# KiCad board prototype-mk1_panel.kicad_pcb (continued)
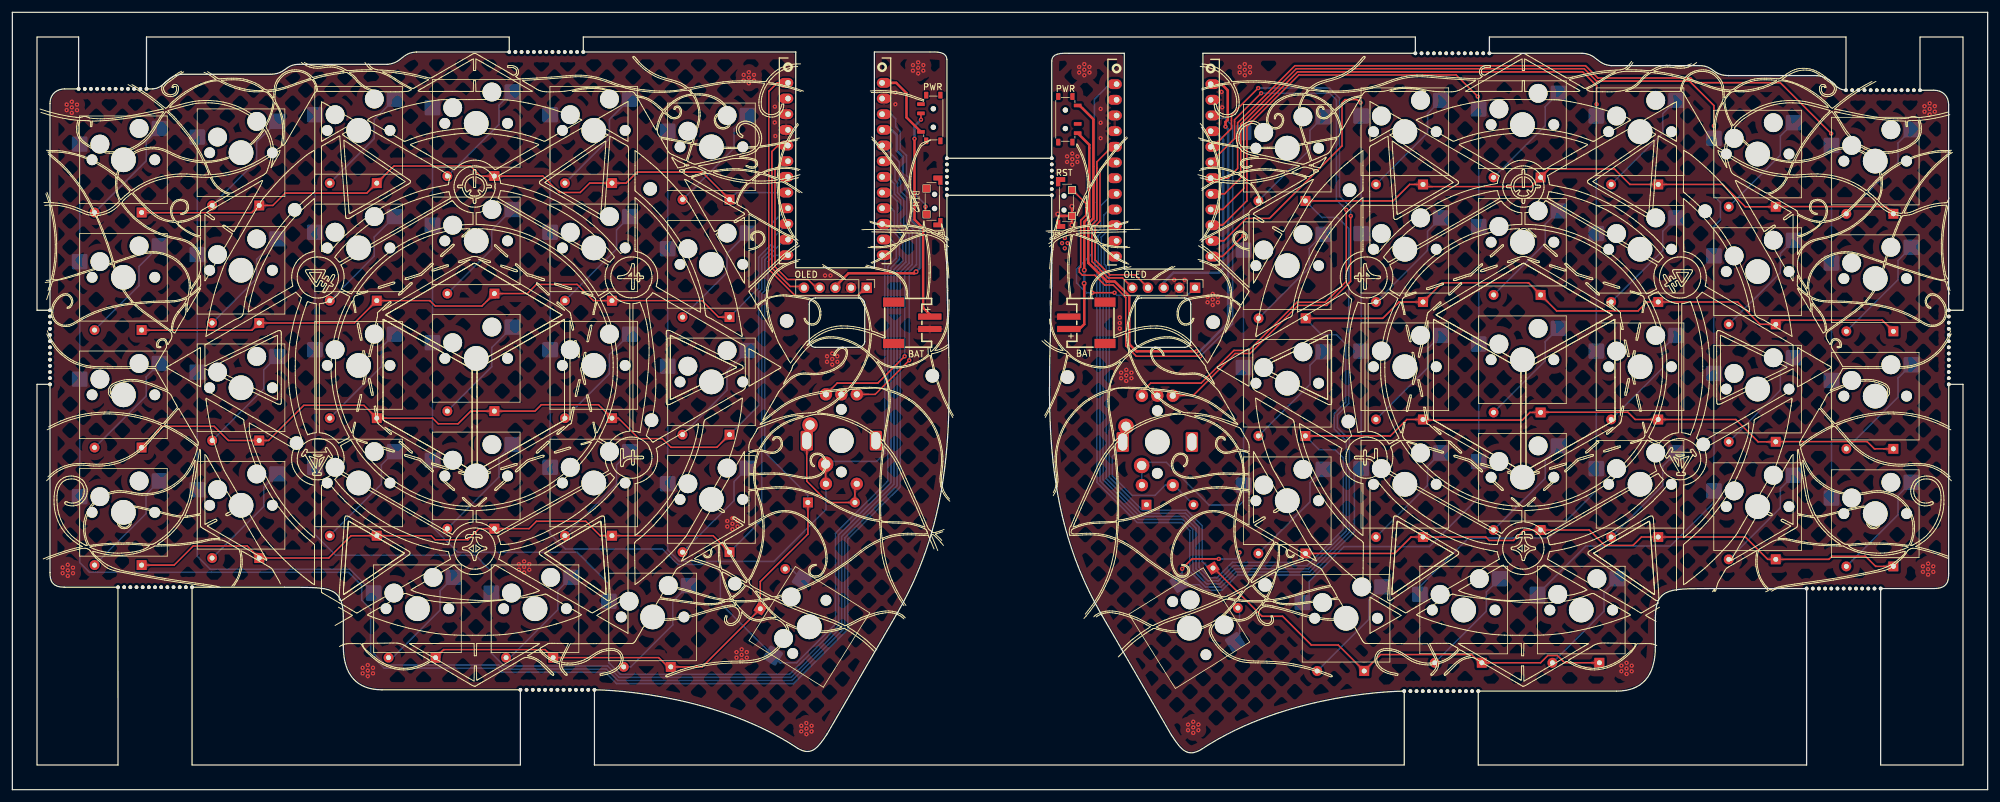
[diagram p0: board, top side]
## Footprints (pads in the part's own frame, mm; a bottom-side part is the same pattern mirrored in y, then rotated)
Connector_1x02_JST-PH
  rect 1x3.8 smd: 1(-1,2.93) 2(1,2.93)
  rect 1.5x3.4 smd: 3(3.35,-2.93) 4(-3.35,-2.93)
Diode_DO-35
  rect 1.6x1.6 hole 0.8: 1(0,0)
  oval 1.6x1.6 hole 0.8: 2(7.62,0)
Encoder_EC11_MX_Combo
  round 1.75 hole 1.75 unplated: (-5.08,0) (5.08,0)
  round 4 hole 4 unplated: (0,0)
  round 2 hole 1: A(-7.5,2.5) B(-7.5,-2.5) C(-7.5,0) S1(7,-2.5) S2(7,2.5)
  rrect 3.2x2 hole 2.8x1.5: MP(0,5.6) S2(0,-5.6)
  round 2.5 hole 1.5: S1(3.81,-2.54) S2(-2.54,-5.08)
Hotswap_MX_1.00u
  round 1.75 hole 1.75 unplated: (-5.08,0) (5.08,0)
  round 3.05 hole 3.05 unplated: (-3.81,2.54) (2.54,5.08)
  round 4 hole 4 unplated: (0,0)
  rrect 2.55x2.5 smd far side: 1(-7.085,2.54) 2(5.842,5.08)
Hotswap_MX_1.50u
  round 1.75 hole 1.75 unplated: (-5.08,0) (5.08,0)
  round 3.05 hole 3.05 unplated: (-3.81,2.54) (2.54,5.08)
  round 4 hole 4 unplated: (0,0)
  rrect 2.55x2.5 smd far side: 1(-7.085,2.54) 2(5.842,5.08)
MountingHole_2.2mm_M2
  round 2.2 hole 2.2 unplated: (0,0)
nice_view_LS011B7DH03
  rect 1.7x1.7 hole 1: 1(0,5.11)
  round 1.7 hole 1: 2(0,2.57) 3(0,0.03) 4(0,-2.51) 5(0,-5.05)
Right-Angle_PushButton
  rrect 1.2x1.2 smd: 1(-2.1,-1.3) 2(2.1,-1.3)
SuperMini NRF52840 - Edge_Mount
  oval 2.3x1.6 hole 0.914: 1(-7.62,12.754) 2(-7.62,10.214) 3(-7.62,7.674) 4(-7.62,5.134) 5(-7.62,2.594) 6(-7.62,0.054) 7(-7.62,-2.486) 8(-7.62,-5.026) 9(-7.62,-7.566) 10(-7.62,-10.106) 11(-7.62,-12.646) 12(-7.62,-15.186) 13(7.62,-15.186) 14(7.62,-12.646) 15(7.62,-10.106) 16(7.62,-7.566) 17(7.62,-5.026) 18(7.62,-2.486) 19(7.62,0.054) 20(7.62,2.594) 21(7.62,5.134) 22(7.62,7.674) 23(7.62,10.214) 24(7.62,12.754)
Switch_MSK12C02
  round 0.85 hole 0.85 unplated: (-1.5,0) (1.5,0)
  rrect 0.6x1.25 smd: 1(2.25,-2) 2(-0.75,-2) 3(-2.25,-2)
  rrect 1.1x0.7 smd: MP(-3.7,1.15) MP(-3.7,-1.15) MP(3.7,1.15) MP(3.7,-1.15)
unnamed
  round 0.6 hole 0.6 unplated: (0,0)

## Nets
GND_1: BJ1.2 BTN2.1 J1.2 RE1.C U1.3 U1.4 U1.23
GND_2: BJ2.2 BTN4.1 J3.2 RE2.C U2.3 U2.4 U2.23
VCC_1: J1.3 U1.21
VCC_2: J3.3 U2.21
+BATT_1: BJ1.1 BTN1.2
+BATT_2: BJ2.1 BTN3.3
CLK-1: J1.4 U1.6
CLK-2: J3.4 U2.6
COLUM0: S1.1 S2.1 S3.1 S4.1 U1.18
COLUM1: S5.1 S6.1 S7.1 S8.1 S13.1 U1.17
COLUM2: S9.1 S10.1 S11.1 S12.1 S18.1 U1.16
COLUM3: S14.1 S15.1 S16.1 S17.1 S23.1 U1.15
COLUM4: S19.1 S20.1 S21.1 S22.1 S28.1 U1.14
COLUM5: RE1.S1 S24.1 S25.1 S26.1 S27.1 U1.13
COLUM6: S53.1 S54.1 S55.1 S56.1 U2.18
COLUM7: S44.1 S49.1 S50.1 S51.1 S52.1 U2.17
COLUM8: S39.1 S45.1 S46.1 S47.1 S48.1 U2.16
COLUM9: S34.1 S40.1 S41.1 S42.1 S43.1 U2.15
COLUM10: S29.1 S35.1 S36.1 S37.1 S38.1 U2.14
COLUM11: RE2.S1 S30.1 S31.1 S32.1 S33.1 U2.13
CS-1: J1.1 U1.1
CS-2: J3.1 U2.1
ENC-1-A: RE1.A U1.20
ENC-1-B: RE1.B U1.19
ENC-2-A: RE2.A U2.20
ENC-2-B: RE2.B U2.19
RAW-1: BTN1.1 U1.24
RAW-2: BTN3.1 U2.24
RESET-1: BTN2.2 U1.22
RESET-2: BTN4.2 U2.22
ROW-1-0: D1.1 D5.1 D9.1 D14.1 D19.1 D24.1 U1.8
ROW-1-1: D2.1 D6.1 D10.1 D15.1 D20.1 D25.1 U1.9
ROW-1-2: D3.1 D7.1 D11.1 D16.1 D21.1 D26.1 U1.10
ROW-1-3: D4.1 D8.1 D12.1 D17.1 D22.1 D27.1 U1.11
ROW-1-4: D13.1 D18.1 D23.1 D28.1 D57.1 U1.12
ROW-2-0: D30.1 D35.1 D40.1 D45.1 D49.1 D53.1 U2.8
ROW-2-1: D31.1 D36.1 D41.1 D46.1 D50.1 D54.1 U2.9
ROW-2-2: D32.1 D37.1 D42.1 D47.1 D51.1 D55.1 U2.10
ROW-2-3: D33.1 D38.1 D43.1 D48.1 D52.1 D56.1 U2.11
ROW-2-4: D29.1 D34.1 D39.1 D44.1 D58.1 U2.12
SI-1: J1.5 U1.5
SI-2: J3.5 U2.5
Net-(D1-A): D1.2 S1.2
Net-(D2-A): D2.2 S2.2
Net-(D3-A): D3.2 S3.2
Net-(D4-A): D4.2 S4.2
Net-(D5-A): D5.2 S5.2
Net-(D6-A): D6.2 S6.2
Net-(D7-A): D7.2 S7.2
Net-(D8-A): D8.2 S8.2
Net-(D9-A): D9.2 S9.2
Net-(D10-A): D10.2 S10.2
Net-(D11-A): D11.2 S11.2
Net-(D12-A): D12.2 S12.2
Net-(D13-A): D13.2 S13.2
Net-(D14-A): D14.2 S14.2
Net-(D15-A): D15.2 S15.2
Net-(D16-A): D16.2 S16.2
Net-(D17-A): D17.2 S17.2
Net-(D18-A): D18.2 S18.2
Net-(D19-A): D19.2 S19.2
Net-(D20-A): D20.2 S20.2
Net-(D21-A): D21.2 S21.2
Net-(D22-A): D22.2 S22.2
Net-(D23-A): D23.2 S23.2
Net-(D24-A): D24.2 S24.2
Net-(D25-A): D25.2 S25.2
Net-(D26-A): D26.2 S26.2
Net-(D27-A): D27.2 S27.2
Net-(D28-A): D28.2 S28.2
Net-(D29-A): D29.2 S29.2
Net-(D30-A): D30.2 S30.2
Net-(D31-A): D31.2 S31.2
Net-(D32-A): D32.2 S32.2
Net-(D33-A): D33.2 S33.2
Net-(D34-A): D34.2 S34.2
Net-(D35-A): D35.2 S35.2
Net-(D36-A): D36.2 S36.2
Net-(D37-A): D37.2 S37.2
Net-(D38-A): D38.2 S38.2
Net-(D39-A): D39.2 S39.2
Net-(D40-A): D40.2 S40.2
Net-(D41-A): D41.2 S41.2
Net-(D42-A): D42.2 S42.2
Net-(D43-A): D43.2 S43.2
Net-(D44-A): D44.2 S44.2
Net-(D45-A): D45.2 S45.2
Net-(D46-A): D46.2 S46.2
Net-(D47-A): D47.2 S47.2
Net-(D48-A): D48.2 S48.2
Net-(D49-A): D49.2 S49.2
Net-(D50-A): D50.2 S50.2
Net-(D51-A): D51.2 S51.2
Net-(D52-A): D52.2 S52.2
Net-(D53-A): D53.2 S53.2
Net-(D54-A): D54.2 S54.2
Net-(D55-A): D55.2 S55.2
Net-(D56-A): D56.2 S56.2
Net-(D57-A): D57.2 RE1.S2
Net-(D58-A): D58.2 RE2.S2

Pads without a net: BJ1 3 4; BJ2 3 4; BTN1 3 MP; BTN3 2 MP; RE1 MP; RE2 MP; U1 2 7; U2 2 7

## Via types
v1: diameter 0.7, hole 0.3, Top to Bottom, 177 vias
v2: diameter 0.8, hole 0.4, Top to Bottom, 6 vias

## Routing (per net, layer and track width the routed paths; a pad name or vN(x,y) marks a point on that pad's centre or on a via; arc(x,y) is an arc through that point)
GND_1:
  vias: v1(8.15,36) v1(8.15,35.1) v1(8.8,111.05) v1(8.8,110.15) v1(8.99,36.45) v1(8.99,35.55) v1(8.99,34.65) v1(9.64,111.5) v1(9.64,110.6) v1(9.64,109.7) v1(9.83,36) v1(9.83,35.1) v1(10.48,111.05) v1(10.48,110.15) v1(56.75,19.75) v1(56.75,18.85) v1(57.59,20.2) v1(57.59,19.3) v1(57.59,18.4) v1(58.43,19.75) v1(58.43,18.85) v1(82.06,36.55) v1(82.06,35.65) v1(82.9,37) v1(82.9,36.1) v1(82.9,35.2) v1(83.74,36.55) v1(83.74,35.65) v1(115.81,43.55) v1(115.81,42.65) v1(116.65,44) v1(116.65,43.1) v1(116.65,42.2) v1(117.31,22.3) v1(117.31,21.4) v1(117.49,43.55) v1(117.49,42.65) v1(118.15,22.75) v1(118.15,21.85) v1(118.15,20.95) v1(118.47,115.85) v1(118.47,114.95) v1(118.99,22.3) v1(118.99,21.4) v1(119.31,116.3) v1(119.31,115.4) v1(119.31,114.5) v1(120.15,115.85) v1(120.15,114.95) v1(123.53,110.71) v1(123.5,108.15) v1(123.6,105.95) v1(127.8,10.35) v1(127.8,9.45) v1(128.64,10.8) v1(128.64,9.9) v1(128.64,9) v1(129.48,10.35) v1(129.48,9.45) v1(131.65,83.35) v1(131.97,70.25) v1(131.97,69.35) v1(132.55,83.35) v1(132.81,70.7) v1(132.81,69.8) v1(132.81,68.9) v1(133.65,70.25) v1(133.65,69.35) v1(143.05,113) v1(143.05,111.1) v1(145.9,117.45) v1(145.9,116.55) v1(146.74,117.9) v1(146.74,117) v1(146.74,116.1) v1(147.58,117.45) v1(147.58,116.55)
GND_2: length 5.5
  Top w0.4: BTN4.1 171.67,91.52 v2(171.65,91.5) ; BTN4.1 169.65,93 v2(169.35,93.3) ; BTN4.1 171.67,94.53 v2(171.65,94.55)
  vias: v1(170.86,102.65) v1(170.86,101.75) v1(171.7,103.1) v1(171.7,102.2) v1(171.7,101.3) v1(172.54,102.65) v1(172.54,101.75) v1(172.81,117.15) v1(172.81,116.25) v1(173.65,117.6) v1(173.65,116.7) v1(173.65,115.8) v1(174.49,117.15) v1(174.49,116.25) v1(176.3,110.35) v1(176.3,108.1) v1(176.3,105.6) v1(179.4,76.55) v1(179.4,75.65) v1(179.4,74.75) v1(179.61,67.6) v1(179.61,66.7) v1(180.45,68.05) v1(180.45,67.15) v1(180.45,66.25) v1(181.29,67.6) v1(181.29,66.7) v1(188.22,82.65) v1(189.9,82.65) v1(190.46,10.55) v1(190.46,9.65) v1(191.3,11) v1(191.3,10.1) v1(191.3,9.2) v1(192.14,10.55) v1(192.14,9.65) v1(193.62,79.9) v1(193.62,79) v1(194.46,80.35) v1(194.46,79.45) v1(194.46,78.55) v1(195.3,79.9) v1(195.3,79) v1(195.9,113.1) v1(196,110.6) v1(198.82,117.15) v1(198.82,116.25) v1(199.66,117.6) v1(199.66,116.7) v1(199.66,115.8) v1(200.5,117.15) v1(200.5,116.25) v1(260.66,20.1) v1(260.66,19.2) v1(261.5,20.55) v1(261.5,19.65) v1(261.5,18.75) v1(262.34,20.1) v1(262.34,19.2) v1(309.51,36.2) v1(309.51,35.3) v1(309.76,110.8) v1(309.76,109.9) v1(310.35,36.65) v1(310.35,35.75) v1(310.35,34.85) v1(310.6,111.25) v1(310.6,110.35) v1(310.6,109.45) v1(311.19,36.2) v1(311.19,35.3) v1(311.44,110.8) v1(311.44,109.9)
VCC_1: length 40.8
  Top w0.4: 133.33,81.57 135.46,83.7 146.15,83.7 v2(146.4,83.95)
  Bottom w0.4: U1.21 142.45,106.95 143.27,106.13 143.27,103.56 144.27,102.56 144.27,99.31 144.67,98.91 144.67,97.26 145.65,96.29 145.65,92.25 147.05,90.85 147.05,84.6 v2(146.4,83.95)
VCC_2: length 77.5
  Top w0.4: 194.76,106.74 U2.21
  Bottom w0.4: J3.3 186.52,82.22 188.1,83.8 195.5,83.8 196.15,84.45 196.15,105.35 194.76,106.74 U2.21 195.01,106.74
  In3.Cu w0.4: U2.21 197.76,106.74 199.65,104.85 199.65,85.85 197.4,83.6 187.4,83.6 186.52,82.72 J3.3
(no net):
  vias: v1(170.05,88.59) v1(170.5,89.43) v1(170.5,87.75) v1(170.95,88.59)
+BATT_1: length 34.5
  Top w0.25: BTN1.2 147.2,109.62 v1(147.2,108.6) 147.2,108.6
  Top w0.4: 146.15,105.57 v1(146.15,105.5) 146.15,92.4 147.55,91 147.55,78.1 148.63,77.02 BJ1.1
  Bottom w0.4: v1(146.15,105.5) 146.15,107.55 v1(147.2,108.6)
+BATT_2: length 35.3
  Top w0.4: 172.94,106.41 BTN3.3 174.47,104.52 174.47,92.87 173.65,92.04 173.65,84.2 v2(173.65,84.2) ; v2(173.63,82.08) 173.65,82.05 173.65,75.45 172.87,74.67 BJ2.1
  Bottom w0.4: v2(173.65,84.2) 173.65,82.1 v2(173.63,82.08)
CLK-1: length 26.3
  Top w0.25: 130.79,81.57 130.03,81.57 128.9,82.7 125.6,82.7 123.55,84.75 123.55,100.45 124.97,101.87
CLK-2: length 28.6
  Top w0.25: U2.6 177.31,101.66 176.2,100.55 176.2,92.15 175.4,91.35 175.4,85.85 177.8,83.45 181.89,83.45 J3.4
COLUM0: length 288.7
  Bottom w0.25: S1.1 S2.1 S3.1 S4.1 10.91,36.81 12.49,35.23 13.81,35.23 13.81,35.23 19.76,35.23 19.76,35.23 22.11,35.23 22.11,35.23 32.26,35.23 32.26,35.23 54.47,35.23 56.6,33.1 56.6,30.72 58.04,29.28 58.04,21.89 60.22,19.7 78.59,19.7 79.25,19.04 96.03,19.04 97.88,17.2 126.54,17.2 135.35,26 135.35,40.59 143.84,49.08 143.84,69.95 143.83,69.95 143.83,70.55 143.84,70.55 143.84,83.9 144.62,84.68 144.62,84.69 145.27,85.34 145.27,90.06 143.89,91.44 143.89,95.56 142.9,96.55 142.9,98.19 141.76,99.33
COLUM1: length 266.3
  Bottom w0.25: S5.1 S6.1 S7.1 S8.1 29.96,37.83 32.06,35.73 54.68,35.73 S13.1 58.54,22.09 60.43,20.2 78.8,20.2 79.46,19.54 96.24,19.54 98.08,17.7 126.34,17.7 134.85,26.21 134.85,40.8 143.33,49.28 143.33,84.11 144.75,85.52 144.75,89.86 143.38,91.23 143.38,95.35 141.94,96.79
COLUM2: length 248.3
  Bottom w0.25: S9.1 S10.1 S11.1 S12.1 49.01,41.37 52.38,38 75,38 77.59,35.41 S18.1 77.59,22.12 79.66,20.05 96.45,20.05 98.29,18.2 126.13,18.2 134.35,26.42 134.35,41.05 142.83,49.53 142.83,84.31 144.25,85.73 144.25,89.6 142.88,90.97 142.88,93.74 142.37,94.25 U1.16
COLUM3: length 224.5
  Bottom w0.25: 141.43,91.71 143.7,89.44 143.7,85.94 142.33,84.57 142.33,49.78 133.85,41.3 133.85,26.63 125.92,18.7 98.5,18.7 96.64,20.56 S23.1 96.64,33.36 91.5,38.5 72.14,38.5 68.06,42.58 S17.1 S16.1 S15.1 S14.1
COLUM4: length 196.6
  Bottom w0.25: U1.14 142.33,89.17 143.2,88.3 143.2,86.16 141.83,84.79 141.83,50.03 133.35,41.55 133.35,26.86 127.05,20.56 124.38,20.56 S28.1 114.7,30.24 114.7,35.32 113.52,36.5 107.82,36.5 105.32,39 89.59,39 87.11,41.48 S22.1 S21.1 S20.1 S19.1
COLUM5: length 146.4
  Top w0.25: RE1.S1 131.76,49.61
  Bottom w0.25: S24.1 S25.1 S26.1 S27.1 106.16,38.88 108.04,37 123.38,37 131.8,45.42 RE1.S1 ; 141.33,86.2 141.33,54.53 140,53.2 132.2,53.2
COLUM6: length 176.1
  Top w0.25: v1(294.65,106.35) 286.4,114.6 272.65,114.6 271.9,115.35 256.86,115.35 254.86,117.35 207.78,117.35 198.6,108.17 198.5,108.07 198.5,100.7 196.9,99.1 194.15,99.1 U2.18
  Bottom w0.25: S56.1 S55.1 S54.1 S53.1 294.7,106.3 v1(294.65,106.35)
COLUM7: length 197.4
  Top w0.25: U2.17 196.38,96.58 199,99.2 199,107.87 199.1,107.97 207.98,116.85 254.65,116.85 256.65,114.85 271.69,114.85 275.65,110.89 v1(275.65,107.6)
  Bottom w0.25: S44.1 254.92,39.5 268.6,39.5 275.65,46.55 S52.1 S51.1 S50.1 275.65,91.31 276.7,92.36 276.7,95.2 275.65,96.25 S49.1 275.65,107.6 v1(275.65,107.6)
COLUM8: length 180.6
  Top w0.25: U2.16 196.09,94.04 199.5,97.45 199.5,107.66 208.19,116.35 254.4,116.35 256.65,114.1 v1(256.65,111.1)
  Bottom w0.25: v1(256.65,111.1) 256.6,111.05 S45.1 S46.1 S47.1 S48.1 256.6,48.45 248.95,40.8 235.9,40.8 228.03,32.93 S39.1
COLUM9: length 163.9
  Top w0.25: v1(237.4,112.35) 233.9,115.85 208.4,115.85 200,107.45 200,95.45 196.05,91.5 U2.15
  Bottom w0.25: v1(237.4,112.35) 237.55,112.2 S40.1 S41.1 S42.1 S43.1 237.55,47.35 229.6,39.4 215.73,39.4 210.1,33.77 210.1,31.45 S34.1
COLUM10: length 152.3
  Top w0.25: v1(195.45,37.4) 191.1,37.4 v1(189.5,35.8) ; U2.14 196.26,88.96 199.9,92.6 203.65,92.6 215.4,104.35 215.4,111.35 215.9,111.85 217.9,111.85 v1(218.4,111.35)
  Bottom w0.25: 189.4,33.2 192.22,33.2 193.08,32.35 195.98,32.35 196.02,32.35 198.47,34.8 210.38,34.8 217.4,41.82 217.4,50.94 S38.1 S37.1 S36.1 S35.1 218.5,111.25 v1(218.4,111.35) ; v1(198.8,38.45) 198.8,37.9 198.3,37.4 v1(195.45,37.4) ; v1(189.5,35.8) 189.5,34.58
COLUM11: length 89.9
  Top w0.25: v1(199.45,89.85) 196.02,86.42 U2.13
  Bottom w0.25: RE2.S1 182.99,52.51 ; 183.45,53.05 186.95,53.05 193.85,46.15 198.8,46.15 199.45,46.8 199.45,47.45 199.45,47.45 S33.1 S32.1 S31.1 S30.1 199.45,107.65
CS-1: length 50.8
  Top w0.25: 138.41,81.57 136.94,80.1 126.78,80.1 122.65,84.23 122.55,84.33 122.55,113.2 123.92,114.57 U1.1
CS-2: length 55.1
  Top w0.25: v1(178.56,80.55) 178.56,80.55 v1(174.95,80.55)
  Bottom w0.25: v1(174.95,80.55) 174,80.55 172.4,82.15 172.4,84.35 174.9,86.85 174.9,90.17 174.9,90.17 174.9,90.21 175.3,90.61 175.3,95.11 175.3,95.11 175.3,111.9 177.76,114.36 ; 191.6,81.2 J3.1 190.37,80.13 178.98,80.13 v1(178.56,80.55)
ENC-1-A: length 48.5
  Top w0.25: v1(145.3,69.6) 139.77,64.07 RE1.A
  Bottom w0.25: v1(145.3,69.6) 145.3,83.95 146.47,85.12 146.47,90.28 144.9,91.86 144.9,95.97 143.9,96.97 143.9,98.61 143.7,98.81 143.7,101.7 140.99,104.41 U1.20
ENC-1-B: length 50.3
  Top w0.25: v1(144.56,70.25) 140.21,65.9 133.63,65.9 RE1.B
  Bottom w0.25: U1.19 142.33,101.87 143,101.2 143,98.8 143.4,98.4 143.4,96.76 144.4,95.76 144.4,91.65 145.77,90.28 145.77,85.13 145.12,84.48 144.56,83.91 v1(144.56,70.25)
ENC-2-A: length 94.5
  Top w0.25: v1(216.83,93) 216.8,92.97 216.8,82.39 212.91,78.5 208.31,78.5 200.51,70.7 198.1,70.7 191.3,63.9 188.47,63.9 187.99,64.39 RE2.A ; v1(201.83,113.73) 197.49,109.39 197.49,107.19 194.5,104.2 U2.20
  Bottom w0.25: v1(201.83,113.73) 213.37,113.73 215,112.1 215,96.2 216.83,94.38 v1(216.83,93)
ENC-2-B: length 98.5
  Top w0.25: U2.19 198,105.53 198,108.6 v1(202.3,112.9) ; v1(216.1,94) 216.1,82.4 212.7,79 208.1,79 200.3,71.2 197.89,71.2 192.59,65.9 184.4,65.9 182.99,64.49 RE2.B
  Bottom w0.25: v1(202.3,112.9) 213.4,112.9 214.5,111.8 214.5,95.6 v1(216.1,94)
RAW-1: length 11.9
  Top w0.4: U1.24 143.18,114.57 144.85,112.9 144.85,108.97 BTN1.1
RAW-2: length 103.1
  Top w0.4: v1(196.53,107.47) 196.53,108.22 196.9,108.6 196.9,113.35 195.89,114.36 U2.24 ; 172.89,110.91 175.12,108.68 175.12,101 175.12,101 175.12,92.6 174.3,91.77 174.3,85.41 174.32,85.39 174.32,85.36 177.31,82.37 178.58,82.37 180.95,80 180.95,72.2 182.1,71.05 v1(191.85,71.05)
  Bottom w0.4: v1(196.53,107.47) 196.95,107.05 196.95,75.65 192.35,71.05 v1(191.85,71.05)
RESET-1: length 20.1
  Top w0.25: v1(147.93,94.5) 147.93,93.42 BTN2.2
  Bottom w0.25: v1(147.93,94.5) 147.93,94.82 145.25,97.5 145.25,99.15 144.85,99.55 144.85,102.8 143.85,103.8 143.85,106.7 143.1,107.45 143.1,108.75 142.36,109.49 U1.22
RESET-2: length 88.2
  Top w0.25: v1(192.45,70.25) 182.08,70.25 180.37,71.96 180.37,79.76 178.34,81.8 176.95,81.8 175.35,83.4 173.35,83.4 172.85,83.9 172.85,84.5 173.07,84.72 173.07,92.28 173.9,93.11 173.9,95.05 171.75,97.2
  Bottom w0.25: v1(192.45,70.25) 197.68,75.49 197.68,107.59 196.41,108.85 194.56,108.85 U2.22
ROW-1-0: length 113.3
  Top w0.25: D24.1 111.74,100.1 101.2,100.1 99.42,98.32 D19.1 93.52,98.32 92,96.8 88.6,96.8 85.94,99.46 D14.1 75.84,99.46 74.2,101.1 61.82,101.1 D9.1 57.42,96.7 44.2,96.7 42.2,94.7 D5.1 38.81,93.52 20.97,93.52
  Bottom w0.25: U1.8 117.33,96.79 D24.1
ROW-1-1: length 122.7
  Top w0.25: D25.1 114.4,76.6 111.73,79.27 D20.1 94.13,79.27 91.5,81.9 84.9,81.9 83.41,80.41 D15.1 76.08,78.4 68.5,78.4 67.63,79.27 D10.1 55.42,75.65 D6.1 38.81,74.47 20.97,74.47
  Bottom w0.25: D25.1 120.9,81.31 120.9,86.32 123.05,88.47 123.05,91.8 125.5,94.25
ROW-1-2: length 144.3
  Top w0.25: D3.1 24.38,58.9 32.7,58.9 35,56.6 D7.1 41.5,56.6 47.2,62.3 56.96,62.3 D11.1 68.08,60.22 69,59.3 72.2,59.3 74.26,61.36 D16.1 84.66,61.36 85.7,62.4 94.96,62.4 D21.1 98.18,60.22 101.5,56.9 105.3,56.9 106.7,55.5 114.14,55.5 D26.1
  Bottom w0.25: D26.1 120.9,62.26 120.9,80.6 121.4,81.1 121.4,86.11 123.55,88.26 123.55,89.75 125.51,91.71
ROW-1-3: length 156.8
  Top w0.25: D4.1 26.2,36.4 29.3,39.5 38.04,39.5 D8.1 51.25,37.55 54.87,41.17 D12.1 67.83,41.17 68.5,40.5 73.8,40.5 75.61,42.31 D17.1 83.71,42.31 84.9,43.5 92.9,43.5 95.23,41.17 D22.1 113.52,41.17 D27.1
  Bottom w0.25: D27.1 121.4,43.71 121.4,80.39 121.9,80.89 121.9,85.9 125.17,89.17
ROW-1-4: length 124.5
  Top w0.25: D13.1 69.86,22.7 86.31,22.7 D18.1 104.71,21.4 106.21,19.9 111.75,19.9 D28.1 121.17,33.72 128.88,41.43 D57.1
  Bottom w0.25: D57.1 128.88,47.71 121.9,54.69 121.9,80.18 122.43,80.71 122.43,85.63 123.43,86.63 U1.12
ROW-2-0: length 263.3
  Top w0.25: D35.1 226.35,98.1 223.69,95.44 D30.1 ; D53.1 303.55,94.52 285.71,94.52 ; 228.88,97.75 246.05,97.75 247.55,99.25 ; D49.1 280.71,94.49 277.1,98.1 D45.1 262.05,98.1 259.55,100.6 248.93,100.6 D40.1
  Bottom w0.25: 178.28,96.58 176.3,94.6 176.3,93.31 176.3,90.9 175.4,90 175.4,89.97 175.4,89.97 175.4,84.58 175.7,84.27 175.7,49.82 182.23,43.3 189.42,43.3 190.75,41.97 190.75,35.38 193.28,32.85 195.77,32.85 195.81,32.85 198.26,35.3 210.17,35.3 216.6,41.73 216.6,56.75 214.65,58.7 214.65,60.75 216.5,62.6 216.5,90.95 214.7,92.75 212.15,92.75 209.48,95.42
ROW-2-1: length 240.9
  Top w0.25: D50.1 283.11,75.44 279.5,79.05 D46.1 264.8,79.05 263.35,77.6 250.18,77.6 D41.1 245.63,82.15 231.62,82.15 D36.1 224.65,79.05 222,76.4 D31.1 ; D54.1 302.92,76.1 286.34,76.1
  Bottom w0.25: 209.51,76.34 212.1,73.75 214.5,73.75 216,72.25 216,62.81 214.15,60.96 214.15,58.45 216.1,56.5 216.1,41.94 209.96,35.8 198.05,35.8 195.6,33.35 195.57,33.35 195.57,33.35 193.49,33.35 191.25,35.59 191.25,42.17 189.63,43.8 182.43,43.8 176.2,50.03 176.2,84.48 175.9,84.78 175.9,89.76 175.9,89.76 175.9,89.79 176.8,90.69 176.8,93.1 177.74,94.04
ROW-2-2: length 213.6
  Top w0.25: D42.1 245.85,61.15 244.6,59.9 228.63,59.9 ; D37.1 225.9,60 223.24,57.34 D32.1 ; 247.61,61.18 261.72,61.18 262.9,60 D47.1 279.2,60 282.81,56.39 D51.1 ; D55.1 301.66,55.24 300.48,56.42 285.71,56.42
  Bottom w0.25: 209.48,57.32 211.7,55.1 214.3,55.1 215.6,53.8 215.6,42.15 209.75,36.3 197.81,36.3 195.36,33.85 193.7,33.85 191.75,35.8 191.75,42.38 189.83,44.3 182.64,44.3 176.7,50.24 176.7,84.69 176.4,84.99 176.4,89.55 178.35,91.5
ROW-2-3: length 184.6
  Top w0.25: D56.1 301.86,36.19 300.2,37.85 294.8,37.85 294.29,37.34 D52.1 284.36,37.34 280.75,40.95 D48.1 263.9,40.95 262.55,39.6 257.95,39.6 255.45,42.1 D43.1 244.9,42.1 243.2,40.4 239.25,40.4 238.7,40.95 D38.1 226.6,40.95 223.94,38.29 D33.1
  Bottom w0.25: 209.39,38.29 207.95,36.85 197.65,36.85 195.15,34.35 193.95,34.35 192.25,36.05 192.25,42.59 190.04,44.8 182.85,44.8 177.2,50.45 177.2,84.9 176.9,85.2 176.9,88 177.86,88.96
ROW-2-4: length 133.9
  Top w0.25: 194.63,35.92 202.45,28.1 205.78,28.1 210.43,23.45 214.79,23.45 D34.1 221.67,21.9 236.39,21.9 237.72,20.57 ; D44.1 251.48,20.57 250.3,21.75 248.75,21.75 247.57,20.57 D39.1
  Bottom w0.25: 182.8,45.55 183.09,45.55 ; 182.8,45.55 183.06,45.3 184.35,45.3 ; 182.8,45.55 177.7,50.65 177.7,85.85 178.27,86.42 ; 193.83,35.92 192.75,37 192.75,42.8 190.25,45.3 184.35,45.3 ; 184.35,45.3 184.35,45.56
SI-1: length 28.3
  Top w0.25: 128.25,81.57 126.02,81.57 123.05,84.54 123.05,103.45 124.01,104.41 U1.5
SI-2: length 28.2
  Top w0.25: 178.12,104.2 175.7,101.77 175.7,100.76 175.7,92.36 174.9,91.56 174.9,85.6 177.55,82.95 179.85,82.95 J3.5
Net-(D1-A): length 18
  Bottom w0.25: D1.2 21.68,101.91 21.68,105.02 S1.2
Net-(D2-A): length 18
  Bottom w0.25: S2.2 20.52,84.82 20.52,81.71 D2.2
Net-(D3-A): length 18
  Bottom w0.25: S3.2 21.68,66.92 21.68,63.81 D3.2
Net-(D4-A): length 18
  Bottom w0.25: S4.2 21.65,47.84 21.65,44.74 D4.2
Net-(D5-A): length 18
  Bottom w0.25: D5.2 39.57,101.9 39.57,105.01 S5.2
Net-(D6-A): length 18
  Bottom w0.25: D6.2 39.57,82.85 39.57,85.96 S6.2
Net-(D7-A): length 18
  Bottom w0.25: D7.2 40.73,64.95 40.73,68.06 S7.2
Net-(D8-A): length 18
  Bottom w0.25: D8.2 40.73,45.9 40.73,49.01 S8.2
Net-(D9-A): length 18
  Bottom w0.25: D9.2 58.62,105.52 58.62,108.63 S9.2
Net-(D10-A): length 18
  Bottom w0.25: S10.2 58.62,89.58 58.62,86.47 D10.2
Net-(D11-A): length 18
  Bottom w0.25: S11.2 59.78,71.68 59.78,68.57 D11.2
Net-(D12-A): length 18
  Bottom w0.25: S12.2 59.78,52.63 59.78,49.52 D12.2
Net-(D13-A): length 17.1
  Bottom w0.25: S13.2 69.3,32.25 69.3,29.1 61.6,21.4
Net-(D14-A): length 18
  Bottom w0.25: S14.2 78.83,110.92 78.83,107.82 D14.2
Net-(D15-A): length 18
  Bottom w0.25: S15.2 77.67,90.72 77.67,87.61 D15.2
Net-(D16-A): length 18
  Bottom w0.25: S16.2 77.67,71.67 77.67,68.56 D16.2
Net-(D17-A): length 18
  Bottom w0.25: S17.2 78.83,53.77 78.83,50.67 D17.2
Net-(D18-A): length 17.1
  Bottom w0.25: 80.61,21.4 88.35,29.14 88.35,32.25 S18.2
Net-(D19-A): length 18
  Bottom w0.25: S19.2 96.72,108.63 96.72,105.52 D19.2
Net-(D20-A): length 18
  Bottom w0.25: S20.2 97.88,90.73 97.88,87.62 D20.2
Net-(D21-A): length 18
  Bottom w0.25: S21.2 96.72,70.53 96.72,67.42 D21.2
Net-(D22-A): length 18
  Bottom w0.25: S22.2 97.88,52.63 97.88,49.52 D22.2
Net-(D23-A): length 18.2
  Bottom w0.25: S23.2 107,30.51 107,26.72 100.18,19.9 D23.2
Net-(D24-A): length 18
  Bottom w0.25: S24.2 116.93,107.11 116.93,104.01 D24.2
Net-(D25-A): length 18
  Bottom w0.25: D25.2 115.77,83.8 115.77,86.91 S25.2
Net-(D26-A): length 18
  Bottom w0.25: D26.2 115.77,64.75 115.77,67.86 S26.2
Net-(D27-A): length 18
  Bottom w0.25: S27.2 116.93,49.96 116.93,46.86 D27.2
Net-(D28-A): length 3.4
  Bottom w0.25: D28.2 126.16,35.78 S28.2
Net-(D29-A): length 4.5
  Bottom w0.25: 198.8,24.65 198.8,29.19
Net-(D30-A): length 18
  Bottom w0.25: D30.2 210.22,103.79 210.22,106.9 S30.2
Net-(D31-A): length 18
  Bottom w0.25: S31.2 210.1,87.74 210.1,84.61 D31.2
Net-(D32-A): length 18
  Bottom w0.25: S32.2 210.22,68.8 210.22,65.69 D32.2
Net-(D33-A): length 18
  Bottom w0.25: D33.2 210.22,46.64 210.22,49.75 S33.2
Net-(D34-A): length 18
  Bottom w0.25: S34.2 219.74,30.7 219.74,27.59 D34.2
Net-(D35-A): length 18
  Bottom w0.25: S35.2 229.27,109.57 229.27,106.46 D35.2
Net-(D36-A): length 18
  Bottom w0.25: D36.2 229.27,87.41 229.27,90.52 S36.2
Net-(D37-A): length 18
  Bottom w0.25: S37.2 229.27,71.47 229.27,68.36 D37.2
Net-(D38-A): length 18
  Bottom w0.25: D38.2 229.27,49.31 229.27,52.42 S38.2
Net-(D39-A): length 18
  Bottom w0.25: S39.2 238.79,32.03 238.79,28.93 D39.2
Net-(D40-A): length 18
  Bottom w0.25: S40.2 248.32,110.71 248.32,107.6 D40.2
Net-(D41-A): length 18
  Bottom w0.25: S41.2 248.32,91.66 248.32,88.55 D41.2
Net-(D42-A): length 18
  Bottom w0.25: D42.2 248.32,69.5 248.32,72.61 S42.2
Net-(D43-A): length 18
  Bottom w0.25: S43.2 248.32,53.56 248.32,50.45 D43.2
Net-(D44-A): length 18
  Bottom w0.25: D44.2 257.84,28.93 257.84,32.03 S44.2
Net-(D45-A): length 18
  Bottom w0.25: D45.2 267.37,106.46 267.37,109.57 S45.2
Net-(D46-A): length 18
  Bottom w0.25: D46.2 267.37,87.41 267.37,90.52 S46.2
Net-(D47-A): length 18
  Bottom w0.25: S47.2 267.37,71.47 267.37,68.36 D47.2
Net-(D48-A): length 18
  Bottom w0.25: S48.2 267.37,52.42 267.37,49.31 D48.2
Net-(D49-A): length 18
  Bottom w0.25: S49.2 286.42,105.95 286.42,102.84 D49.2
Net-(D50-A): length 18
  Bottom w0.25: D50.2 286.42,83.79 286.42,86.9 S50.2
Net-(D51-A): length 18
  Bottom w0.25: S51.2 286.42,67.85 286.42,64.74 D51.2
Net-(D52-A): length 18
  Bottom w0.25: D52.2 286.42,45.69 286.42,48.8 S52.2
Net-(D53-A): length 18
  Bottom w0.25: S53.2 305.47,104.81 305.47,101.7 D53.2
Net-(D54-A): length 18
  Bottom w0.25: S54.2 305.47,85.76 305.47,82.65 D54.2
Net-(D55-A): length 18
  Bottom w0.25: S55.2 305.47,66.71 305.47,63.6 D55.2
Net-(D56-A): length 18
  Bottom w0.25: S56.2 305.47,47.66 305.47,44.55 D56.2
Net-(D57-A): length 18.5
  Top w0.25: 136.5,49.27 D57.2 132.15,46.55 128.7,50 RE1.S2
Net-(D58-A): length 21.8
  Bottom w0.25: 179.89,55.69 178.21,54 178.21,50.89 181.4,47.7 185.1,47.7 186.76,49.36 RE2.S2 ; D58.2 188.17,49.36

## Copper pours and planes (outline as drawn; the poured copper is in the pictures)
GND_1 on Top, Bottom: 65.64,119.69 64.34,119.29 63.34,118.89 62.24,117.99 60.74,117.49 46.44,117.59 44.94,117.19 43.84,116.59 42.44,116.09 38.04,115.99 27.14,115.89 25.64,115.39 24.64,114.49 23.34,113.69 22.24,113.49 9.24,113.49 7.54,113.39 6.34,112.59 6.14,34.49 6.74,33.39 8.14,32.89 48.94,32.79 51.94,32.29 53.24,30.89 53.64,28.89 53.64,23.19 54.34,19.59 55.54,17.69 57.14,16.89 58.94,16.39 62.04,16.29 94.94,16.29 101.14,15.79 109.54,14.29 116.54,12.19 121.14,10.29 123.74,8.99 126.64,7.19 128.04,6.49 129.04,6.29 129.64,6.49 130.74,7.39 144.24,30.39 147.54,37.19 150.04,46.39 151.04,52.49 151.74,62.39 151.54,78.19 151.34,99.29 151.44,116.99 151.34,118.99 150.64,119.39 146.74,119.69 139.69,119.56 139.59,84.59 126.99,84.59 126.99,119.58
GND_2 on Top, Bottom: 254.43,119.37 255.73,118.97 257.23,117.97 258.53,117.47 260.03,117.17 273.93,117.17 275.03,116.87 276.73,115.97 277.83,115.67 279.53,115.57 292.53,115.57 293.83,115.27 294.73,114.57 295.83,113.57 296.93,113.27 309.43,113.27 311.73,113.17 312.63,112.87 313.43,111.97 313.53,111.37 313.53,34.57 313.43,33.97 313.23,33.47 312.43,32.87 311.53,32.77 271.23,32.67 269.23,32.47 267.73,31.97 266.93,31.37 266.23,29.67 266.03,24.37 265.83,21.47 265.53,19.87 265.13,18.77 264.23,17.57 263.13,16.87 260.83,16.17 259.13,16.07 224.43,16.07 219.83,15.67 214.23,14.77 209.23,13.77 202.83,11.77 194.33,7.67 192.43,6.57 191.13,5.97 190.03,6.37 188.13,8.37 181.73,19.27 175.33,30.47 173.03,35.27 170.53,42.67 169.03,50.07 168.13,60.77 168.23,73.37 168.53,90.07 168.43,117.17 168.53,118.57 169.03,119.17 171.33,119.37 180.08,119.37 180.18,84.48 192.8,84.4 192.88,119.37

Small or netless copper shapes (teardrops, artwork), in the pictures only: 144 on Top, 118 on Bottom, 2 on In3.Cu

## Text on the board
F.Silkscreen: OLED | BAT | + | PWR | RST
User.2: PROTOTYPE_MK1-REV2.1
